# Allegro board MB1209_REVD_160617_FAB4.brd (continued)
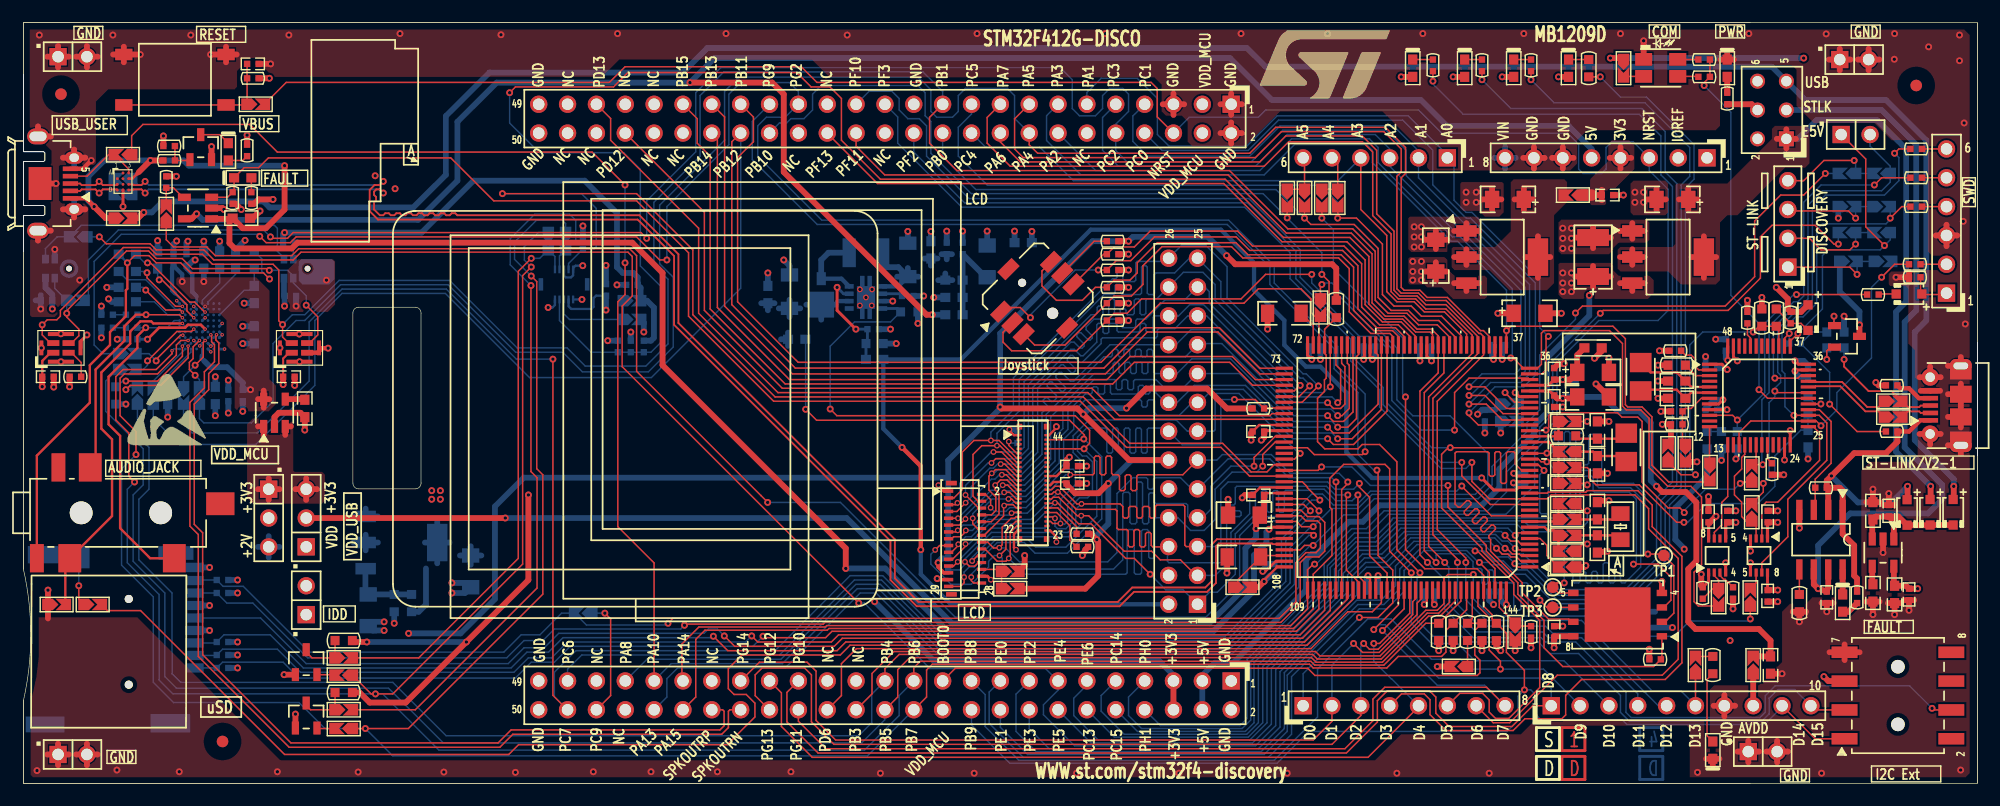
[diagram p0: board, top side]
## Routing (per net, layer and track width the routed paths; a pad name or vN(x,y) marks a point on that pad's centre or on a via; arc(x,y) is an arc through that point) (continued)
PB13: length 73
  TOP w0.127: U7.74 108.84,36.06 105.16,39.75 98.93,39.75 95.25,36.07 67.69,36.07 61.72,42.04 61.72,58.69 60.6,59.82
PB14: length 69.8
  TOP w0.127: U7.75 108.45,35.56 106.43,37.59 97.41,37.59 95.38,35.56 67.44,35.56 61.09,41.91 61.09,56.79 60.6,57.28
PB15: length 73.9
  TOP w0.127: U7.76 108.2,35.06 106.18,37.08 97.79,37.08 95.89,35.18 67.06,35.18 60.45,41.78 60.45,55.24 59.31,56.39 59.31,58.55 58.06,59.8 58.06,59.82
PC0: length 65.1
  TOP w0.127: v1(127.25,32.64) 127.25,32.38 128.08,31.56 U7.26
  BOTTOM w0.127: v1(127.25,32.64) 129.54,34.92 132.08,34.92 133.1,35.94 133.1,44.07 127.38,49.78 127,49.78 124.07,52.72 124.07,55.77 121.41,58.42 110.49,58.42 107.82,55.75 100.22,55.75 P1.8
PC1: length 67.7
  TOP w0.127: v1(127.25,33.4) 128.78,33.4 130.18,32 131.83,32 131.88,32.06 U7.27
  BOTTOM w0.127: P1.7 97.66,58.78 97.66,56.54 98.96,55.24 107.95,55.24 110.62,57.91 120.6,57.91 122.81,55.7 CN1.2 122.81,53.34 126.87,49.28 127.25,49.28 132.59,43.94 132.59,36.07 131.83,35.31 129.16,35.31 v1(127.25,33.4)
PC2: length 182.7
  TOP w0.127: v1(21.74,48.13) 21.87,48.01 23.24,48.01 23.75,48.51 54.36,48.51 v1(54.86,48.01) ; U7.28 130.25,32.56 128.65,34.16 v1(127.25,34.16)
  BOTTOM w0.127: v1(127.25,34.16) 127.38,34.16 128.91,35.69 131.57,35.69 132.21,36.32 132.21,43.69 127,48.9 126.36,48.9 121.73,53.53 121.73,55.75 119.95,57.53 110.87,57.53 108.08,54.74 97.16,54.74 96.16,55.73 P1.10 96.16,58.06 97.28,59.18 97.28,60.71 96.77,61.21 95.63,61.21 95,60.58 95,59.44 94.36,58.8 92.96,58.8 92.33,59.44 92.33,61.98 91.26,63.04 61.39,63.04 59.18,60.83 59.18,55.63 54.86,51.31 v1(54.86,48.01) ; v1(21.74,48.13) 21.13,48.74 8.36,48.74 5.72,46.1 5.72,42.93 SB33.1
PC3: length 67.9
  TOP w0.127: U7.29 131.74,33.06 131.7,33.02 130.56,33.02 128.65,34.92 v1(127.25,34.92)
  BOTTOM w0.127: v1(127.25,34.92) 128.4,36.07 131.32,36.07 131.83,36.58 131.83,43.43 126.75,48.51 126.11,48.51 120.27,54.36 CN1.3 120.27,55.88 119,57.15 111.25,57.15 108.46,54.36 96.39,54.36 95,55.75 95,58.65 P1.9
PC4: length 59.1
  TOP w0.127: CN1.4 117.73,50.55 120.02,48.26 120.02,43.31 120.9,42.42 122.43,42.42 123.32,41.53 125.09,41.53 127.04,39.58 U7.44
  BOTTOM w0.127: CN1.4 115.72,53.09 92.43,53.09 89.49,56.02 84.72,56.02 P1.20
PC5: length 61.2
  TOP w0.127: 115.7,50.93 SB8.1 v1(115.7,49.78) 117.35,49.78 119.63,47.5 119.63,43.05 120.65,42.04 122.17,42.04 123.06,41.15 124.84,41.15 126.54,39.45 U7.45
  BOTTOM w0.127: v1(115.7,49.78) 115.7,51.18 114.2,52.68 84.86,52.68 82.3,55.24 82.3,57.78 83.46,58.95 P1.19
PC6: length 83.1
  TOP w0.127: v1(114.05,24) 112.99,25.06 U7.96
  BOTTOM w0.127: v1(114.05,24) 114.05,23.75 113.56,23.27 113,23.27 111.12,21.39 111.12,17.78 105.92,12.57 80.87,12.57 75.54,17.91 73.15,17.91 66.55,11.3 49.15,11.3 47.9,10.05 47.9,9.02
PC7: length 162.2
  TOP w0.127: v1(46.61,37.36) 46.61,7.75 47.88,6.48 47.9,6.48 ; v1(113.28,24) 113.26,24 112.7,24.56 U7.97
  BOTTOM w0.127: R94.1 14.1,31.62 14.86,30.86 20.57,30.86 25.15,35.43 25.15,40.64 28.04,43.54 37.22,43.54 43.4,37.36 v1(46.61,37.36) ; 47.9,6.48 46.74,7.64 46.74,9.78 48.64,11.68 66.17,11.68 72.77,18.29 75.64,18.29 80.98,12.95 105.79,12.95 110.74,17.91 110.74,21.51 113.23,24 v1(113.28,24)
PC8: length 114.4
  TOP w0.127: U7.98 112.46,24.06 113.03,23.5 114.05,23.5 114.55,22.99 114.55,20.45 114.05,19.94 112.9,19.94 112.39,19.43 112.39,15.88 110.69,14.17 70.56,14.17 70.41,14.02 58.29,14.02 v1(58.19,13.92)
  BOTTOM w0.127: v1(58.19,13.92) 57.86,13.59 46.74,13.59 45.72,12.57 44.07,12.57 42.55,11.05 25.02,11.05 20.19,15.88 17.91,15.88 R115.2 17.02,16.76 CN13.7
PC9: length 114
  TOP w0.127: v1(56.74,14.1) 57.18,14.53 110.54,14.53 112.01,16 112.01,19.43 112.9,20.32 113.79,20.32 114.17,20.7 114.17,22.86 113.92,23.11 112.9,23.11 112.45,23.56 U7.99
  BOTTOM w0.127: v1(56.74,14.1) 56.59,13.94 49.56,13.94 SB43.1 47.37,14.99 45.47,13.08 43.81,13.08 42.29,11.56 25.15,11.56 19.35,17.35 17.58,17.35 R113.2 15.12,17.91 CN13.8
PC10: length 104
  TOP w0.127: U7.111 114.04,15.36 112.06,13.39 71.17,13.39 70.61,12.83 65.23,12.83 v1(65.1,12.95)
  BOTTOM w0.127: CN13.1 17.02,10.16 R119.2 17.53,10.67 22.86,10.67 24.26,9.27 43.31,9.27 44.7,10.67 46.74,10.67 48.13,12.06 64.21,12.06 v1(65.1,12.95)
PC11: length 105
  TOP w0.127: v1(64.11,12.98) 64.64,12.45 71.12,12.45 71.75,13.08 112.39,13.08 114.54,15.23 U7.112
  BOTTOM w0.127: v1(64.11,12.98) 63.58,12.45 47.88,12.45 46.48,11.05 44.45,11.05 43.18,9.78 24.38,9.78 22.35,11.81 17.53,11.81 R118.2 16.98,11.26 CN13.2
PC12: length 106.6
  TOP w0.127: U7.113 115.04,15.22 112.6,12.78 72.09,12.78 71.37,12.06 62.61,12.06 v1(61.7,12.98)
  BOTTOM w0.127: CN13.5 20.87,14.56 24.89,10.54 42.67,10.54 44.07,11.94 45.85,11.94 47.12,13.21 59.92,13.21 60.3,13.59 61.09,13.59 v1(61.7,12.98)
PC13: length 51.9
  TOP w0.127: v1(131.32,21.84) 131.32,21.94 131.44,22.06 U7.7
  BOTTOM w0.127: v1(131.32,21.84) 130.68,22.48 121.26,22.48 119.3,20.52 117.58,20.52 115.76,18.71 115.76,16.95 109.09,10.29 109.09,5.33 107.82,4.06 96.03,4.06 93.62,6.48
PC14: length 60.5
  TOP w0.127: v1(137.67,21.08) 137.29,21.08 SB25.2
  BOTTOM w0.127: 96.16,9.02 94.87,7.73 94.87,6.35 96.9,4.32 107.7,4.32 108.71,5.33 108.71,10.44 115.42,17.14 115.42,18.87 117.42,20.88 119.1,20.88 121.03,22.81 131.5,22.81 132.14,22.16 136.59,22.16 v1(137.67,21.08)
PC15: length 56.6
  TOP w0.127: SB23.2 137.29,24 v1(137.67,24)
  BOTTOM w0.127: 96.16,6.48 98.06,4.57 107.57,4.57 108.33,5.33 108.33,10.62 115.04,17.32 115.04,19 117.3,21.26 119.05,21.26 120.9,23.11 132.08,23.11 132.46,22.73 137.41,22.73 137.67,22.99 v1(137.67,24)
PD2: length 107.3
  TOP w0.127: v1(60.73,12.95) 62,11.68 71.63,11.68 72.39,12.45 112.78,12.45 116.54,16.21 U7.116
  BOTTOM w0.127: CN13.3 16.93,12.36 R117.2 17.65,13.08 21.72,13.08 24.64,10.16 42.93,10.16 44.32,11.56 46.23,11.56 47.5,12.83 60.6,12.83 v1(60.73,12.95)
PD3: length 128.6
  TOP w0.127: U7.117 117.04,16.2 113,12.17 72.77,12.17 71.91,11.3 63.25,11.3 62.05,10.11 62.05,8.33 62.56,7.82 63.63,7.82 64.39,7.06 64.39,5.84 61.95,3.4 43.59,3.4 42.72,2.54 22.99,2.54 10.31,15.21 7.39,15.21 R64.1
PD6: length 55.4
  TOP w0.127: U7.122 119.54,15.91 118.75,15.11 116.59,15.11 113.33,11.86 73.33,11.86 72.01,10.54 72.01,7.73 70.76,6.48
PD12: length 73.5
  TOP w0.127: 52.98,57.28 59.94,50.31 59.94,41.66 66.8,34.8 94.06,34.8 96.47,32.38 109.73,32.38 109.91,32.56 U7.81
PD13: length 77.6
  TOP w0.127: 50.44,59.82 51.69,58.57 51.69,56.64 59.44,48.9 59.44,41.4 66.42,34.42 93.7,34.42 96.05,32.06 U7.82
PE0: length 132.7
  TOP w0.127: U7.141 129.04,18.58 v1(128.17,19.46) ; R5.1 v1(138.81,62.23)
  BOTTOM w0.127: 86,9.02 85.01,8.03 85.01,5.28 88.01,2.29 109.6,2.29 111.63,4.32 111.63,9.4 117.6,15.37 120.02,15.37 121.54,16.89 121.54,18.75 123.29,20.5 127.05,20.5 128.09,19.46 v1(128.17,19.46) 129.01,19.46 129.22,19.24 130.11,19.24 130.94,18.41 132.21,18.41 134.8,15.82 141.43,15.82 144.91,19.3 144.91,24.51 146.3,25.91 146.3,52.45 147.07,53.21 147.07,56.26 142.88,60.45 140.59,60.45 v1(138.81,62.23)
PE1: length 134.7
  TOP w0.127: U7.142 129.54,18.92 127.99,20.47 v1(127.79,20.47) ; R4.1 v1(132.72,61.98)
  BOTTOM w0.127: v1(132.72,61.98) 134.75,59.94 142.75,59.94 146.69,56.01 146.69,53.47 145.92,52.7 145.92,26.04 144.53,24.64 144.53,19.56 141.15,16.18 135,16.18 132.38,18.8 131.06,18.8 130.28,19.58 129.44,19.58 128.55,20.47 v1(127.79,20.47) 127.51,20.75 123.04,20.75 121.16,18.87 121.16,17.14 119.76,15.75 117.47,15.75 111.25,9.53 111.25,4.57 109.22,2.54 88.39,2.54 86,4.93 86,6.48
PE2: length 136
  TOP w0.127: R3.1 v1(128.4,61.98) ; U7.1 132.58,19.05 131.59,19.05 v1(131.29,19.35)
  BOTTOM w0.127: 88.54,9.02 87.38,7.85 87.38,4.57 89.15,2.79 108.97,2.79 111,4.83 111,9.75 117.37,16.13 119.51,16.13 120.78,17.4 120.78,19.13 122.68,21.03 128.57,21.03 129.67,19.94 130.7,19.94 v1(131.29,19.35) 132.31,19.35 135.1,16.56 141.02,16.56 144.15,19.68 144.15,24.89 145.54,26.29 145.54,52.83 144.53,53.85 144.53,57.4 142.49,59.44 130.94,59.44 v1(128.4,61.98)
PE3: length 136.6
  TOP w0.127: R2.1 v1(124.08,61.85) ; U7.2 131.82,19.56 131.44,19.94 130.94,19.94 130.68,20.19 130.18,20.19 v1(129.67,20.7)
  BOTTOM w0.127: v1(124.08,61.85) 124.08,61.59 126.75,58.93 142.24,58.93 144.15,57.02 144.15,53.59 145.16,52.58 145.16,26.54 143.76,25.15 143.76,19.81 141.02,17.07 135.18,17.07 132.05,20.19 130.18,20.19 v1(129.67,20.7) 129.06,21.31 122.4,21.31 120.13,19.04 118.22,19.04 117.37,18.19 117.37,16.59 110.62,9.83 110.62,4.95 108.71,3.05 90.3,3.05 88.54,4.81 88.54,6.48
PE4: length 168.7
  TOP w0.127: v1(130.43,20.7) 130.57,20.7 131.08,20.19 131.69,20.19 131.82,20.06 U7.3 ; v1(73.53,15.88) 52.7,36.7 52.7,42.04 53.59,42.93 53.59,46.41 53.21,46.79 24.43,46.79 23.75,46.1 16.76,46.1 15.88,46.99 11.68,46.99 11.15,47.52 7.29,47.52 v1(6.68,48.13)
  BOTTOM w0.127: v1(73.53,15.88) 74.03,15.88 79.79,10.11 89.97,10.11 91.06,9.02 91.08,9.02 91.08,8.2 89.79,6.91 89.79,6.05 92.53,3.3 108.46,3.3 110.24,5.08 110.24,10.01 116.94,16.71 116.94,18.24 118.16,19.46 119.96,19.46 122.12,21.62 129.51,21.62 v1(130.43,20.7) ; SB32.2 v1(6.68,48.13)
PE5: length 54.7
  TOP w0.127: v1(131.32,20.69) 131.44,20.56 U7.4
  BOTTOM w0.127: v1(131.32,20.69) 131.32,20.7 130.68,21.34 130.18,21.34 129.59,21.92 121.87,21.92 119.8,19.85 118.05,19.85 116.56,18.36 116.56,16.84 109.86,10.13 109.86,5.21 108.2,3.56 93.98,3.56 91.08,6.46 91.08,6.48
PE6: length 56.4
  TOP w0.127: v1(130.43,21.84) 130.94,21.34 131.57,21.34 131.85,21.06 U7.5
  BOTTOM w0.127: v1(130.43,21.84) 130.1,22.17 121.56,22.17 119.58,20.19 117.88,20.19 116.18,18.49 116.18,16.94 109.47,10.24 109.47,5.33 107.95,3.81 94.61,3.81 92.46,5.97 92.46,7.49 93.62,8.66 93.62,9.02
PF2: length 72.9
  TOP w0.127: v1(126.62,28.27) 126.62,27.08 129.13,24.56 U7.12
  BOTTOM w0.127: P1.24 78.38,55.61 82.85,51.13 107.75,51.13 112.01,46.86 112.01,44.45 117.22,39.24 117.22,37.34 119.7,34.86 119.7,33.34 124.76,28.27 v1(126.62,28.27)
PF3: length 123.4
  TOP w0.127: v1(127.51,28.27) 127.51,26.59 129.04,25.06 U7.13 134.16,25.06 134.49,25.4 141.86,25.4 143.07,24.19 143.07,22.42 145.67,19.81 145.67,10.92 144.27,9.53 135.03,9.53 130.84,5.33 129.39,5.33 CN11.7
  BOTTOM w0.127: v1(127.51,28.27) 126.97,27.74 124.79,27.74 119.38,33.15 119.38,34.67 116.84,37.21 116.84,39.12 111.51,44.45 111.51,46.74 107.49,50.75 82.6,50.75 76.96,56.39 76.96,58.69 75.84,59.82
PF4: length 58.1
  TOP w0.127: CN11.4 121.31,7.87 123.32,7.87 123.83,7.37 123.83,6.05 125.22,4.65 131.14,4.65 132.18,5.69 135.43,5.69 135.76,6.02 135.76,7.75 137.16,9.14 144.53,9.14 146,10.62 146,19.99 143.38,22.61 143.38,24.51 142.11,25.78 137.67,25.78 137.54,25.65 134.24,25.65 134.15,25.56 U7.14
PF5: length 120.2
  TOP w0.254: U7.15 131.6,26.06 131.37,25.83 129.44,25.83 v1(128.37,26.9)
  TOP w0.381: v1(77.34,29.59) 78.99,27.94 v1(78.99,20.57)
  BOTTOM w0.381: v1(128.37,26.9) 118.72,26.9 116.46,29.16 116.46,34.42 114.17,36.7 112.9,36.7 111,38.61 111,40.77 108.33,43.43 108.33,45.85 105.41,48.77 93.95,48.77 82.52,37.34 L7.1 75.69,31.24 v1(77.34,29.59) ; v1(78.99,20.57) 78.99,18.41 81.64,15.77 CN7.2
PF6: length 44.9
  TOP w0.127: U7.18 131.88,27.56 131.32,28.13 131.32,29.08 131.19,29.21 130.67,29.21 130.54,29.08 130.54,26.54 130.42,26.42 130.16,26.42 130.04,26.54 130.04,29.08 129.91,29.21 129.65,29.21 129.53,29.08 129.53,27.18 129.4,27.05 129.15,27.05 129.02,27.18 129.02,29.08 128.89,29.21 126.15,29.21 126.03,29.08 126.03,24.6 126.3,24.32 126.48,24.32 127.06,24.9 127.24,24.9 127.42,24.72 127.42,24.54 126.84,23.96 126.84,23.78 127.02,23.6 127.2,23.6 127.78,24.18 127.96,24.18 128.14,24 128.14,23.82 127.56,23.24 127.56,23.06 127.74,22.88 127.92,22.88 128.5,23.47 128.68,23.47 128.86,23.29 128.86,23.11 128.28,22.52 128.28,22.34 128.46,22.16 128.64,22.16 129.22,22.75 129.4,22.75 129.58,22.57 129.58,22.39 129,21.8 129,21.63 129.16,21.46 129.16,20.45 131.94,17.67 131.94,16.78 134.25,14.46 136.03,14.46 136.27,14.22 U12.7
PF7: length 44.4
  TOP w0.127: U7.19 133.35,28.06 v1(133.86,27.56) ; U12.3 144.4,15.49 145.03,16.13 145.03,18.16 143.89,19.3 v1(141.73,19.3)
  BOTTOM w0.127: v1(141.73,19.3) 141.99,19.56 141.99,25.02 141.35,25.65 138.3,25.65 138.18,25.78 138.18,26.92 138.05,27.05 136.78,27.05 136.65,26.92 136.65,23.88 136.53,23.75 136.27,23.75 136.14,23.88 136.14,27.05 136.02,27.18 135.64,27.18 135.51,27.05 135.51,23.88 135.38,23.75 135,23.75 134.87,23.88 134.87,27.05 134.75,27.18 134.37,27.18 134.24,27.05 134.24,23.88 134.11,23.75 133.6,23.75 133.48,23.88 133.48,27.18 v1(133.86,27.56)
PF8: length 44.4
  TOP w0.127: U12.5 135.13,16.76 TP2.1 135,17.65 v1(135.64,17.65) ; U7.20 133.36,28.56 133.6,28.32 v1(134.11,28.32)
  BOTTOM w0.127: v1(134.11,28.32) 134.87,27.56 138.43,27.56 138.56,27.43 138.56,26.16 138.68,26.04 141.48,26.04 142.37,25.15 142.37,19.05 140.97,17.65 140.72,17.65 140.59,17.78 140.59,19.3 140.46,19.43 140.21,19.43 140.08,19.3 140.08,17.78 139.95,17.65 139.7,17.65 139.57,17.78 139.57,19.3 139.45,19.43 139.19,19.43 139.06,19.3 139.06,17.78 138.94,17.65 138.68,17.65 138.56,17.78 138.56,18.54 138.43,18.67 138.18,18.67 138.05,18.54 138.05,17.78 137.92,17.65 137.67,17.65 137.54,17.78 137.54,18.54 137.41,18.67 137.16,18.67 137.03,18.54 137.03,17.78 136.91,17.65 136.53,17.65 136.4,17.78 136.4,20.57 136.27,20.7 135.76,20.7 135.64,20.57 v1(135.64,17.65)
PF9: length 44.9
  TOP w0.127: U7.21 134.09,29.06 v1(134.11,29.08) ; U12.2 144.53,14.22 145.29,14.99 145.29,19.18 TP1.1 144.27,20.19 v1(143,20.19)
  BOTTOM w0.127: v1(134.11,29.08) 134.49,29.08 134.62,29.21 134.62,30.23 134.75,30.35 135,30.35 135.13,30.23 135.13,28.19 135.25,28.07 135.51,28.07 135.64,28.19 135.64,30.86 135.76,30.99 136.02,30.99 136.14,30.86 136.14,28.19 136.27,28.07 136.53,28.07 136.65,28.19 136.65,30.73 136.78,30.86 137.16,30.86 137.29,30.73 137.29,28.19 137.41,28.07 137.67,28.07 137.79,28.19 137.79,30.61 137.92,30.73 138.81,30.73 138.94,30.61 138.94,26.54 139.06,26.42 141.73,26.42 142.75,25.4 142.75,20.45 v1(143,20.19)
PF10: length 115.5
  TOP w0.127: CN11.6 126.44,7.92 128.45,7.92 129.03,7.34 129.03,6.27 129.59,5.71 130.76,5.71 133.48,8.43 133.48,14.35 131.19,16.64 131.19,17.65 128.4,20.45 128.4,20.7 124.84,24.26 124.84,28.98 125.42,29.56 v1(125.6,29.56) U7.22
  BOTTOM w0.127: 73.3,59.82 74.44,60.96 76.45,60.96 77.09,60.33 77.09,59.31 77.85,58.55 78.87,58.55 79.5,57.91 79.5,55.24 83.24,51.51 107.87,51.51 112.39,46.99 112.39,44.58 117.6,39.37 119,39.37 120.02,38.35 120.02,33.53 123.98,29.56 v1(125.6,29.56)
PF11: length 140
  TOP w0.127: v1(123.6,19.46) 122.94,20.12 122.94,34.54 124.54,36.15 U7.49 124.54,39.41 123.95,40.01 122.68,40.01 121.54,41.15 119.89,41.15 118.72,42.32 118.72,46.63 116.89,48.46 111.18,48.46 106.05,53.59 75.82,53.59 73.3,56.11 73.3,57.28 ; CN10.4 168.16,6.46 v1(168.02,6.6)
  BOTTOM w0.127: v1(123.6,19.46) 125.09,17.96 125.09,15.37 127.64,12.83 133.6,12.83 133.99,12.45 136.65,12.45 141.07,8.03 141.07,6.25 141.53,5.79 152.87,5.79 153.34,6.27 153.34,7.72 154.2,8.59 166.04,8.59 v1(168.02,6.6)
PF12: length 141.2
  TOP w0.127: v1(42.8,60.83) 43.31,61.34 51.94,61.34 53.21,62.61 68.07,62.61 69.34,61.34 70.99,61.34 72.01,60.33 72.01,56.64 75.44,53.21 105.79,53.21 110.92,48.08 116.76,48.08 118.44,46.41 118.44,42.21 119.76,40.89 121.41,40.89 122.56,39.75 123.83,39.75 124.04,39.53 U7.50
  BOTTOM w0.127: CN14.7 47.19,40.76 49.98,37.97 R106.2 R98.1 R107.2 55.24,37.97 56.13,38.86 56.13,43.74 54.31,45.57 54.31,54.08 52.83,55.55 45.42,55.55 42.8,58.17 v1(42.8,60.83)
PF13: length 62.3
  TOP w0.127: 70.76,57.28 70.76,57.26 75.18,52.83 105.66,52.83 110.79,47.7 116.51,47.7 118.11,46.1 118.11,42.16 119.63,40.64 121.28,40.64 122.54,39.38 U7.53
PF14: length 38.4
  TOP w0.127: B2.4 95.1,46.61 95.38,46.61 96.01,47.24 97.79,47.24 99.19,48.64 106.88,48.64 108.2,47.32 116.26,47.32 117.81,45.77 117.81,41.96 119.38,40.39 121.03,40.39 122.04,39.37 U7.54
PF15: length 45.7
  TOP w0.127: v1(88.65,41.02) 87.76,41.91 86.44,41.91 B2.1 ; U7.55 121.54,39.37 120.78,40.13 119.13,40.13 117.47,41.78 117.47,45.59 116.13,46.94 107.95,46.94 106.76,48.13 99.57,48.13 97.47,46.04 96.2,46.04 95.38,45.21 v1(94.61,45.21)
  BOTTOM w0.127: v1(94.61,45.21) 92.58,45.21 88.65,41.27 v1(88.65,41.02)
PG0: length 43.4
  TOP w0.127: U7.56 121.04,39.36 120.52,39.88 118.87,39.88 117.09,41.66 117.09,45.47 116,46.56 107.8,46.56 106.73,47.62 99.82,47.62 98.04,45.85 98.04,44.96 97.41,44.32 96.01,44.32 95.38,43.69 94.36,43.69 93.22,42.55 90.93,42.55 89.66,43.81 89.66,45.13 B2.6
PG1: length 43.7
  TOP w0.127: U7.57 120.54,39.37 120.29,39.62 118.62,39.62 116.71,41.53 116.71,45.34 115.77,46.28 107.34,46.28 106.35,47.27 100.23,47.27 98.55,45.59 98.55,43.94 97.54,42.93 96.01,42.93 91.69,38.61 89.01,38.61 B2.3
PG2: length 171.1
  TOP w0.127: U7.87 113.03,29.56 113.64,28.96 117.86,28.96 v1(118.11,29.21) ; v1(56.64,46.1) 56.01,46.1 53.98,48.13 24,48.13 23.5,47.62 21.36,47.62 v1(20.8,48.18)
  BOTTOM w0.127: v1(20.8,48.18) 20.62,48.36 8.61,48.36 6.22,45.97 6.22,38.61 6.99,37.85 R86.2 ; v1(118.11,29.21) 118.11,34.29 115.7,36.7 115.7,38.48 110.11,44.07 110.11,45.59 106.1,49.61 70.28,49.61 64.64,55.24 64.64,57.91 65.41,58.67 67.06,58.67 68.2,59.82 68.22,59.82 68.22,60.94 67.44,61.72 63.12,61.72 62.1,60.71 62.1,56.26 56.64,50.8 v1(56.64,46.1)
PG5: length 98.3
  TOP w0.127: v1(42.16,51.94) 53.98,51.94 58.93,46.99 58.93,41.27 66.17,34.04 93.29,34.04 97.38,29.95 105.56,29.95 108.08,27.43 109.47,27.43 110.1,28.06 U7.90
  BOTTOM w0.127: v1(42.16,51.94) 49.12,51.94 50.42,50.65 50.42,47.24 50.23,47.06 R105.1 47.99,45.79 CN14.2
PG6: length 46.3
  TOP w0.127: U12.1 144.23,11.01 R72.1 143.51,10.29 135.51,10.29 133.86,11.94 133.86,14.35 131.56,16.65 131.56,17.67 128.78,20.45 128.78,20.95 125.4,24.33 v1(125.4,26.24) ; v1(114.27,27.87) 113.97,27.56 U7.91
  BOTTOM w0.127: v1(114.27,27.87) 116.94,27.87 118.57,26.24 v1(125.4,26.24)
PG7: length 111.4
  TOP w0.127: U7.92 107.94,27.06 105.41,29.59 97.1,29.59 93.04,33.66 66.04,33.66 58.55,41.15 58.55,46.74 53.98,51.31 41.4,51.31 37.62,55.09 21.56,55.09 20.7,54.23 19.43,54.23 LD8.2 18.54,52.2 R17.2 17.97,51.62 U1.3
PG8: length 133.9
  TOP w0.127: v1(65.51,24.74) 65.51,24.76 64.92,25.35 64.92,25.35 53.98,36.29 53.98,46.48 53.37,47.09 24.23,47.09 23.62,46.48 16.89,46.48 16.13,47.24 13.21,47.24 12.57,47.88 R20.2 ; U7.93 112.57,26.56 113.03,26.11 113.03,26.04 v1(114.12,24.94)
  BOTTOM w0.127: v1(65.51,24.74) 71.92,24.74 82.03,14.63 104.09,14.63 107.06,17.6 107.06,21.82 108.36,23.11 111.58,23.11 113.41,24.94 v1(114.12,24.94)
PG9: length 102.5
  TOP w0.127: v1(119.15,27.58) 119.25,27.48 119.25,20.07 120.54,18.78 U7.124 120.54,15.9 119.25,14.61 v1(117.6,14.61)
  BOTTOM w0.127: v1(119.15,27.58) 118.87,27.58 117.47,28.98 117.47,34.42 115.38,36.51 115.38,38.29 109.73,43.94 109.73,45.47 105.97,49.23 69.88,49.23 64.16,54.94 64.16,58.3 65.68,59.82 ; v1(117.6,14.61) 112.65,9.65 CN11.1
PG10: length 102.7
  TOP w0.127: 68.22,9.02 67.21,8.01 67.21,5.41 69.95,2.67 116.46,2.67 119.19,5.4 119.19,7.28 120.07,8.15 123.77,8.15 124.33,7.59 124.33,6.17 125.5,5 131.04,5 132.87,6.83 CN12.1 ; U7.125 121.04,15.71 v1(118.87,13.54)
  BOTTOM w0.127: v1(118.87,13.54) 119.3,13.97 119.89,13.97 124.59,9.27 133.58,9.27 134.49,8.36 CN12.1
PG11: length 86.1
  TOP w0.127: CN11.8 128.8,8.46 119.84,8.46 118.8,7.42 118.8,5.51 116.33,3.05 70.64,3.05 68.22,5.47 68.22,6.48 ; v1(119.63,13.46) 121.54,15.37 U7.126
  BOTTOM w0.127: CN11.8 128.63,8.64 124.46,8.64 v1(119.63,13.46)
PG12: length 77
  TOP w0.127: 65.68,9.02 66.73,7.97 66.73,5 69.44,2.29 118.36,2.29 122.81,6.73 CN11.5 ; v1(118.87,12.32) 119.38,12.32 122.04,14.98 U7.127
  BOTTOM w0.127: v1(118.87,12.32) 118.87,10.74 120.41,9.21 120.43,9.21 CN11.5
PG13: length 77.9
  TOP w0.127: U7.128 122.54,16.24 122.3,16 122.3,14.86 119.25,11.81 118.49,11.81 v1(117.98,12.32) ; 65.68,6.48 65.66,6.48 64.41,7.72 64.41,9.55 65.02,10.16 68.76,10.16 69.37,9.55 69.37,5.41 71.35,3.43 115.19,3.43 117.73,5.97 CN11.3
  BOTTOM w0.127: CN11.3 117.73,12.06 v1(117.98,12.32)
PG14: length 76
  TOP w0.127: CN11.2 115.19,5.46 113.54,3.81 71.5,3.81 69.77,5.54 69.77,9.88 68.99,10.67 64.79,10.67 63.14,9.02 ; v1(117.09,12.32) 117.88,11.53 119.35,11.53 122.68,14.86 122.68,15.88 123.04,16.24 U7.129
  BOTTOM w0.127: v1(117.09,12.32) 115.19,10.41 CN11.2
PH0: length 60.1
  TOP w0.127: SB22.1 137.54,26.42 v1(137.67,26.29)
  BOTTOM w0.127: v1(137.67,26.29) 137.16,26.29 137.03,26.16 137.03,23.5 136.91,23.37 120.57,23.37 120.45,23.24 120.45,23.16 118.92,21.64 117.27,21.64 114.78,19.15 114.78,17.49 108.04,10.74 108.04,5.58 107.29,4.83 98.42,4.83 97.28,5.97 97.28,7.6 98.7,9.02
PH0-OSC_IN: length 5.7
  TOP w0.203: SB22.2 SB20.2 R46.1 134.28,30.06 U7.23
PH1: length 57.5
  TOP w0.127: SB16.1 v1(137.67,31.88)
  BOTTOM w0.127: v1(137.67,31.88) 135.64,31.88 133.03,29.27 133.03,26.23 130.51,23.7 120.14,23.7 118.49,22.05 117.17,22.05 114.5,19.38 114.5,17.7 107.72,10.92 107.72,5.71 107.09,5.08 100.1,5.08 98.7,6.48
PH1-OSC_OUT: length 3.8
  TOP w0.203: SB16.2 R45.1 135.08,30.56 U7.24
PWR_ENN: length 10.9
  TOP w0.127: U8.3 157.73,24.21 R51.2 157.73,26.8 159.13,28.19 159.13,31.88 158.09,32.91 U6.28
SPKOUTRN: length 83.3
  TOP w0.13: v3(16.49,39.51) 16.56,39.44 16.56,38.89 16.81,38.63 16.81,37.13 15.93,36.25 15.93,34.83 14.66,33.56 14.66,22.65 15.39,21.91 15.39,11.17 23.39,3.17 41.94,3.17 43.08,4.32 61.47,4.32 62.06,4.91 62.06,6.35 62.19,6.48 63.14,6.48
  BOTTOM w0.127: U15.C3 v3(16.49,39.51)
SPKOUTRP: length 82
  TOP w0.13: 60.6,6.48 61.55,6.48 61.68,6.35 61.68,5.07 61.31,4.7 42.93,4.7 41.78,3.56 23.55,3.56 15.77,11.33 15.77,22.07 15.04,22.81 15.04,33.4 16.31,34.67 16.31,36.09 17.2,36.98 17.2,38.79 16.94,39.05 16.94,39.46 v3(16.99,39.51)
  BOTTOM w0.127: U15.B3 v3(16.99,39.51)
STL_USB_DM: length 7.8
  TOP w0.155: U6.32 157.72,34.91 157.78,34.97 159.94,34.97 162.15,32.77 163.32,32.77 R40.2
STL_USB_DP: length 7.8
  TOP w0.155: R39.2 163.32,33.15 162.31,33.15 160.1,35.35 157.81,35.35 157.75,35.41 U6.33
STLINK_RX: length 8.7
  TOP w0.127: U6.13 150.03,25.27 149.5,24.74 149.5,22.76 148.85,22.1 U10.7
STLINK_TX: length 3.2
  TOP w0.127: U6.12 148.43,28.23 R49.2
STM_JTCK: length 27.7
  TOP w0.127: v1(163.83,47.37) 162.18,49.02 162.18,54.99 JP4.1 ; U6.37 155.53,38.95 v1(156.21,39.62)
  BOTTOM w0.127: v1(156.21,39.62) 158.37,41.78 158.37,46.48 158.88,46.99 163.45,46.99 v1(163.83,47.37) 164.34,47.88 SB12.2
STM_JTMS: length 32.9
  TOP w0.127: U6.34 156.44,35.91 156.21,35.69 v1(154.18,35.69)
  BOTTOM w0.127: JP4.2 162.56,56.13 164.34,54.36 SB3.2 164.34,52.96 163.58,52.2 158.37,52.2 157.1,50.93 157.1,42.67 156.34,41.91 155.83,41.91 154.05,40.13 154.05,35.81 v1(154.18,35.69)
STM_RST: length 5.9
  TOP w0.127: SB19.2 146.05,30.1 R44.1 C18.2 146.3,33.02 146.81,33.02 147.71,33.91 U6.7
SWO_MCU: length 1.6
  TOP w0.127: SB28.1 152.53,17.66 U11.6
T_JTCK: length 28.8
  TOP w0.127: U6.15 151.03,30.89 152.06,31.91 U6.26 157.82,31.91 v1(158.24,31.5) ; v1(163.58,44.58) 164.72,45.72 R25.2
  BOTTOM w0.127: SB14.1 164.47,45.47 v1(163.58,44.58) 162.69,43.69 162.69,37.47 159.64,34.42 159.64,32.89 v1(158.24,31.5)
T_JTDO: length 9.7
  TOP w0.127: U11.3 152.53,22.73 SB24.2 151.64,23.11 151.26,23.5 151.26,24.77 150.62,25.4 150.62,27.05 151.26,27.69 151.26,28.7 151.53,28.98 U6.16
T_JTMS: length 47.3
  TOP w0.127: U11.7 153.03,19.43 155.32,21.72 155.32,25.02 158.75,28.45 158.75,31.75 158.09,32.41 U6.27 v1(155.86,32.41) ; R19.2 165.35,50.8 v1(164.34,49.78)
  BOTTOM w0.127: SB10.1 v1(164.34,49.78) 164.34,49.66 163.96,49.28 158.37,49.28 157.86,48.77 157.86,42.29 156.65,41.08 156.02,41.08 154.81,39.88 154.81,36.32 155.07,36.07 155.07,33.17 155.83,32.41 v1(155.86,32.41)
T_NRST: length 38.1
  TOP w0.127: v1(153.11,28.07) SB21.1 152.53,28.45 U6.18 ; R15.2 163.58,53.34 v1(162.94,52.7)
  BOTTOM w0.127: v1(153.11,28.07) 153.03,28.14 153.03,33.78 153.67,34.42 153.67,40.26 155.83,42.42 156.21,42.42 156.72,42.93 156.72,51.18 158.24,52.7 v1(162.94,52.7)
T_SWDIO_IN: length 13.2
  TOP w0.127: U6.25 157.56,31.41 158.12,30.86 158.12,28.45 154.43,24.77 153.42,24.77 153.03,24.38 U11.2